# Altium PCB Version_2.PcbDoc (part 6 of 6) (continued)
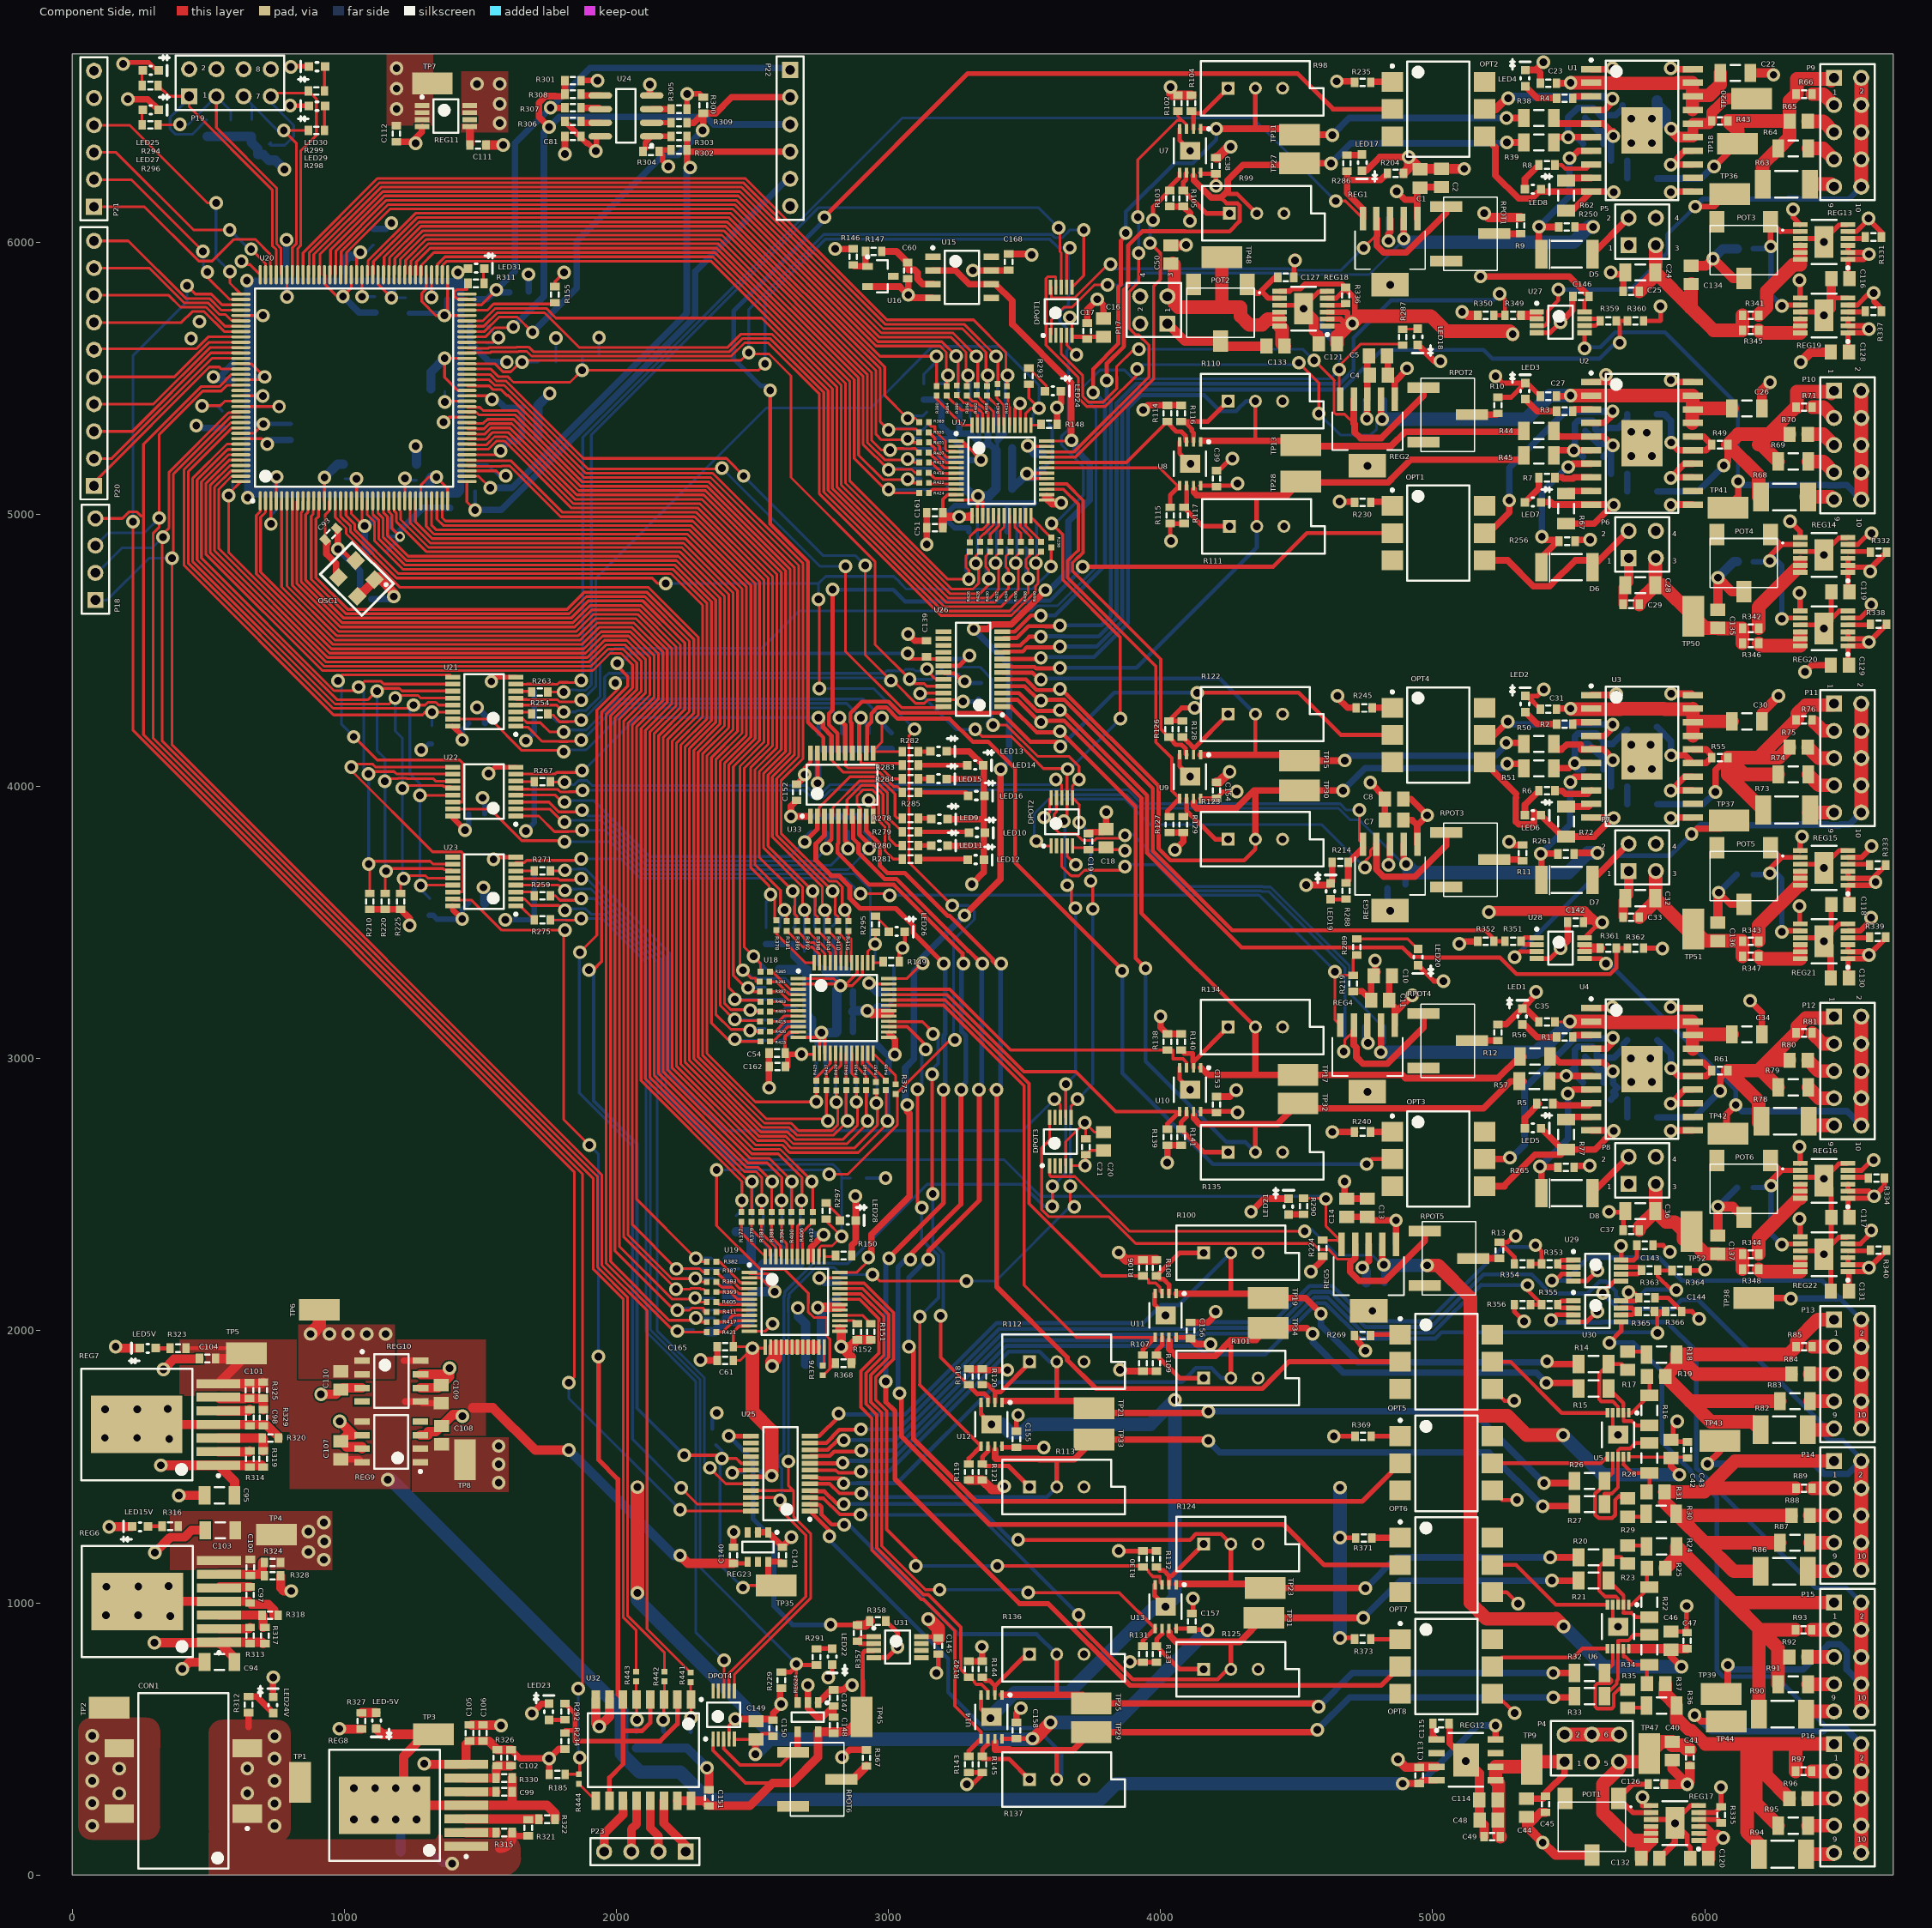
[diagram p0: Component Side view]
## Nets (pads, with @x,y where several pads share a name; then routed paths per layer and width w, separated by ;. In a path a pad name is that pad's centre, name@x,y a point inside that pad or via, vN(x,y) a via of type N, cw(c..) or ccw(c..) an arc to the next point about the centre after c; other vN are vias at no path point) (continued)
VN6: C50.1 C133.1 P17.3 REG18.10 REG18.11 REG18.12 TP48.1 | length 873.5
  Component Side w35: REG18.11@4437.64,5717.64 4437.64,5733.27
  Component Side w50: C50.1@4045.24,5922.5 4050.28,5917.46 4050.28,5775.92 4064.71,5761.49 4293.11,5761.49 4294.41,5760.19 4294.41,5728.2 4326.63,5695.98 4372.19,5695.98 4393.84,5717.64 REG18.11@4437.58,5717.64 ; 4225.24,5765.27 TP48.1@4225.24,5944.98 ; REG18.12@4437.64,5691.99 4446.85,5682.78 4446.85,5626.97 C133.1@4455.71,5618.11
VO1: R40.2 R43.1 TP20.1 U1.15 U1.16 | length 548
  Component Side w40: v1(5876.27,6417.64) 5872.5,6417.64 5872.19,6417.32 5903.55,6385.96 U1.15@5956.5,6385.96 U1.16@5956.5,6435.96 6015.69,6435.96 R43.1@6025.59,6445.87 6025.59,6477.52 6036.34,6488.27 6037.76,6488.27 6077.05,6527.56 TP20.1@6172.24,6527.56
  Solder Side w40: R40.2@5824.8,6519.69 5824.8,6505.27 5826.36,6505.27 5856.24,6475.39 5856.24,6437.67 v1(5876.27,6417.64)
VO2: R46.2 R49.1 U2.15 U2.16 | length 392.5
  Component Side w24: v1(5876.27,5264.04) 5876.27,5263.24 5903.55,5235.96 U2.15@5956.5,5235.96 6005.71,5235.96 R49.1@6025.71,5255.96 5995.71,5285.96 U2.16@5956.5,5285.96
  Solder Side w24: R46.2@5824.8,5368.11 5851.51,5368.11 5876.27,5343.35 v1(5876.27,5264.04)
VO3: R52.2 R55.1 U3.15 U3.16 | length 382
  Component Side w24: v1(5876.27,4114.37) 5927.89,4114.37 5928.09,4114.17 5928.19,4114.27 U3.15@5956.5,4085.96 6005.71,4085.96 R55.1@6025.71,4105.96 6025.71,4115.04 6004.79,4135.96 U3.16@5956.5,4135.96
  Solder Side w24: R52.2@5824.8,4218.5 5876.27,4167.04 v1(5876.27,4114.37)
VO4: R58.2 R61.1 U4.15 U4.16 | length 376.2
  Component Side w24: v1(5876.27,2964.71) 5876.27,2963.24 5903.55,2935.96 U4.15@5956.5,2935.96 6005.71,2935.96 R61.1@6025.71,2955.96 5995.71,2985.96 U4.16@5956.5,2985.96
  Solder Side w24: R58.2@5825.79,3067.91 5876.27,3017.43 v1(5876.27,2964.71)
VO5: R16.2 R19.1 U5.1 | length 175.2
  Component Side w14: U5.1@5721.66,1697.54 5731.58,1697.54 R16.2@5796.58,1762.54 5796.58,1823.96 R19.1@5788.12,1832.43
VO6: R28.2 R31.1 U5.9 | length 194.7
  Component Side w13: 5701.65,1508.98 U5.9@5701.65,1536.55
  Component Side w14: 5701.65,1508.98 5733.32,1477.31 R28.2@5796.58,1477.31 R31.1@5796.58,1418.25
VO7: R22.2 R25.1 U6.1 | length 163.8
  Component Side w13: U6.1@5720.95,992.92 5731.96,992.92 R22.2@5796.58,1057.54
  Component Side w14: R22.2@5788.12,1066.01 R25.1@5788.12,1127.43
VO8: R34.2 R37.1 U6.9 | length 198.8
  Component Side w13: U6.9@5701.27,831.93 5701.65,831.55 5701.65,801.93 5709.18,801.93 5738.81,772.31
  Component Side w14: 5738.81,772.31 R34.2@5796.58,772.31 ; R37.1@5788.12,702.43 R34.2@5788.12,763.84
VOUT1: P9.1 R42.2 R43.2 R63.2 R64.2 R65.2 R66.2 TP18.1 | length 1240.4
  Component Side w24: v1(6034.45,6278.54) 6037.4,6278.54 TP18.1@6121.06,6362.2
  Component Side w50: TP18.1@6121.06,6362.2 6121.06,6409.45 R43.2@6084.65,6445.87 R65.2@6310.18,6445.87 ; R63.2@6212.6,6228.24 6212.6,6286.75 R64.2@6270.12,6344.27 6311.77,6385.92 R65.2@6311.77,6444.27 6311.77,6520.33 R66.2@6335.71,6544.27 6338.77,6544.27 6338.77,6600.27 6458.43,6600.27 P9.1@6464.84,6593.87 ; P9.1@6470.24,6599.27 P9.1@6475.24,6604.27
  Solder Side w24: R42.2@5825.36,6234.27 5986.24,6234.27 6034.45,6282.48 v1(6034.45,6278.54)
VOUT2: P10.1 R48.2 R49.2 R68.2 R69.2 R70.2 R71.2 | length 1330.2
  Component Side w24: v1(6069.88,5179.13) 6084.77,5194.02 R49.2@6084.77,5255.96
  Component Side w50: R68.2@6198.62,5064.27 6198.62,5142.1 R49.2@6084.77,5255.96 6123.07,5294.27 6235.71,5294.27 ; R69.2@6270.12,5194.27 6208.43,5255.96 6197.4,5255.96 6235.71,5294.27 ; R70.2@6311.77,5294.27 6235.71,5294.27 ; P10.1@6464.84,5443.87 6458.44,5450.27 6338.77,5450.27 6338.77,5394.27 R71.2@6335.71,5394.27 6235.71,5294.27
  Solder Side w24: R48.2@5825.36,5084.27 5975.02,5084.27 v1(6069.88,5179.13)
VOUT3: P11.1 R54.2 R55.2 R73.2 R74.2 R75.2 R76.2 | length 1443.4
  Component Side w24: v1(6039.37,3979.33) 6039.37,4060.57 R55.2@6084.77,4105.96
  Component Side w50: R73.2@6214.57,3913.39 6084.77,4043.19 R55.2@6084.77,4105.96 ; R74.2@6270.12,4044.27 6146.46,4044.27 R55.2@6084.77,4105.96 ; R75.2@6311.77,4144.27 6273.47,4105.96 6197.4,4105.96 ; R76.2@6335.71,4244.27 6197.4,4105.96 ; R76.2@6339.77,4248.32 6339.77,4267.05 6371.98,4299.27 6470.24,4299.27 P11.1@6475.24,4304.27 ; R55.2@6084.77,4105.96 6197.4,4105.96
  Solder Side w24: R54.2@5825.36,3934.27 5994.31,3934.27 v1(6039.37,3979.33)
VOUT4: P12.1 R60.2 R61.2 R78.2 R79.2 R80.2 R81.2 | length 1255
  Component Side w24: v1(6057.09,2880.91) 6057.09,2928.28 R61.2@6084.77,2955.96
  Component Side w50: R78.2@6198.62,2764.27 6198.62,2842.1 R61.2@6084.77,2955.96 6197.4,2955.96 ; R79.2@6270.12,2894.27 6208.43,2955.96 6197.4,2955.96 ; R80.2@6311.77,2994.27 6235.71,2994.27 ; P12.1@6475.24,3154.27 6470.24,3149.27 6371.98,3149.27 6339.77,3117.05 6339.77,3098.32 R81.2@6335.71,3094.27 6235.71,2994.27 ; 6197.4,2955.96 6235.71,2994.27
  Solder Side w24: R60.2@5825.36,2784.27 5960.45,2784.27 v1(6057.09,2880.91)
VOUT5: P13.1 R18.2 R19.2 R82.2 R83.2 R84.2 R85.2 | length 1955
  Component Side w50: R82.2@6205.79,1635.96 6175.81,1665.94 6021.54,1665.94 5946.51,1740.96 ; R83.2@6276.66,1740.96 5946.51,1740.96 ; R84.2@6318.98,1840.96 5968.17,1840.96 R18.2@5896.7,1912.43 ; P13.1@6475.24,2040.96 6415.57,2040.96 6338.77,1964.16 6338.77,1944.02 R85.2@6335.71,1940.96 6307.17,1912.43 R18.2@5896.7,1912.43 ; R18.2@5896.7,1912.43 5896.7,1874.08 R19.2@5855.05,1832.43 5946.51,1740.96
VOUT6: P14.1 R30.2 R31.2 R86.2 R87.2 R88.2 R89.2 | length 2144.7
  Component Side w50: 5852.69,1369.75 R30.2@5895.01,1327.43 R30.2@5901.47,1320.96 ; R31.2@5852.69,1407.43 5997.98,1407.43 6011.51,1420.96 ; R86.2@6205.79,1115.96 6106.47,1115.96 6001.47,1220.96 ; R87.2@6276.66,1220.96 6001.47,1220.96 ; R88.2@6318.98,1320.96 R30.2@5901.47,1320.96 ; R89.2@6335.71,1420.96 6011.51,1420.96 ; P14.1@6475.24,1520.96 6111.51,1520.96 6011.51,1420.96 ; R30.2@5901.47,1320.96 6001.47,1220.96
VOUT7: P15.1 R24.2 R25.2 R90.2 R91.2 R92.2 R93.2 | length 1566.8
  Component Side w50: R25.2@5855.05,1127.43 5896.7,1169.08 R24.2@5896.7,1207.43 6103.17,1000.96 ; R90.2@6198.96,590.96 6198.96,896.76 ; R91.2@6269.83,700.96 6269.83,834.3 6203.17,900.96 ; R93.2@6333.8,900.96 6203.17,900.96 ; P15.1@6475.24,1000.96 6103.17,1000.96 ; 6103.17,1000.96 6203.17,900.96
VOUT8: P16.1 R36.2 R37.2 R94.2 R95.2 R96.2 R97.2 | length 1838.4
  Component Side w45: 5907.97,565.59 5940.44,533.11 5950.4,533.11 6002.55,480.96
  Component Side w50: R37.2@5855.05,702.43 5855.05,664.08 R36.2@5896.7,622.43 5896.7,565.59 ; 6002.55,480.96 6155.51,480.96 ; R94.2@6198.96,75.96 6198.96,114.03 6155.51,157.48 6155.51,480.96 ; 6225.99,476.43 6225.99,366.14 R96.2@6311.17,280.96 ; R95.2@6269.83,180.96 6187.99,262.8 6187.99,479.98 6188.98,480.96 ; R97.2@6333.8,380.96 6333.8,474.91 ; P16.1@6475.24,480.96 6188.98,480.96 ; 6155.51,480.96 6188.98,480.96
VPLUS1: D1.1 D1.3 R38.1 R41.2 U1.5 | length 529.1
  Component Side w24: R38.1@5445.36,6456.73 5466.13,6435.96 U1.5@5582.48,6435.96 5628.55,6435.96 5655.73,6408.78 v1@5663.66,6408.78
  Solder Side w24: D1.1@5560.71,6456.51 5608.45,6408.78 v1@5663.66,6408.78 ; D1.3@5627.64,6362.03 5627.64,6381.67 5655.24,6409.27 R41.2@5655.24,6299.74
  other v1: 5663.39,6389.76
VPLUS2: D2.1 D2.3 R44.1 R47.2 U2.5 | length 502.1
  Component Side w24: R44.1@5445.36,5306.73 5466.13,5285.96 U2.5@5582.48,5285.96 5628.55,5285.96 5661.3,5253.21 v1(5662.68,5253.21)
  Solder Side w24: D2.1@5560.71,5306.51 5607.95,5259.27 5655.24,5259.27 v1@5655.24,5239.62 ; D2.3@5627.64,5212.02 v1@5655.24,5239.62 ; R47.2@5655.24,5149.74 v1@5655.24,5239.62
VPLUS3: D3.1 D3.3 R50.1 R53.2 U3.5 | length 570.6
  Component Side w24: R50.1@5445.36,4156.73 5466.13,4135.96 5474.2,4135.96 5492.45,4154.2 5545.48,4154.2 5545.48,4135.96 U3.5@5582.48,4135.96 ; U3.5@5583.47,4141.87 5628.55,4135.96 5663.66,4100.85 5662.68,4099.86 v1(5662.68,4096.66)
  Solder Side w24: D3.1@5560.71,4156.51 5572.1,4156.51 5597.83,4130.79 5597.83,4129.37 5608.37,4118.83 5609.79,4118.83 5619.35,4109.27 5655.24,4109.27 5627.64,4081.67 D3.3@5627.64,4062.02 ; R53.2@5655.71,3999.27 5655.71,4108.8 5657.22,4107.28 5657.42,4107.48 5663.66,4101.25 5662.68,4100.26 v1(5662.68,4096.66)
VPLUS4: D4.1 D4.3 R56.1 R59.2 U4.5 | length 541.4
  Component Side w24: R56.1@5445.36,3006.73 5466.13,2985.96 U4.5@5582.48,2985.96 5628.55,2985.96 5660.62,2953.88 v1(5662.68,2953.88)
  Solder Side w24: D4.1@5560.71,3006.51 5607.95,2959.27 5655.24,2959.27 5627.64,2931.67 D4.3@5627.64,2912.02 ; R59.2@5655.71,2849.27 5655.24,2849.74 5672.24,2866.75 5662.68,2876.31 5679.13,2892.77 5662.68,2909.23 v1(5662.68,2953.88)
VPLUS5: R14.1 R17.2 U5.3 | length 325.9
  Component Side w13: 5661.6,1740.96 5681.58,1720.97 U5.3@5681.58,1697.92
  Component Side w14: 5661.6,1740.96 5619.66,1740.96 5612.05,1748.58 5612.05,1842.77 R14.1@5646.7,1877.43 5695.48,1877.43 R17.2@5716.58,1856.32
VPLUS6: R26.1 R29.2 U5.7 | length 436.4
  Component Side w13: 5661.9,1477.62 U5.7@5661.9,1536.93
  Component Side w14: 5661.9,1477.62 R26.1@5631.7,1447.43 5631.7,1434.51 5606.08,1408.89 5604.66,1408.89 5597.05,1401.28 5597.05,1323.58 5604.66,1315.96 5606.08,1315.96 5611.02,1311.02 5659.45,1311.02 5671.26,1322.83 5671.26,1378.5 5685.94,1393.19 5695.6,1383.53 R29.2@5716.58,1383.53
VPLUS7: R20.1 R23.2 U6.3 | length 320
  Component Side w13: 5613.05,1133.77 5612.55,1133.27 5612.55,1043.78 5633.41,1022.92 5673.88,1022.92 5681.2,1015.6 U6.3@5681.2,993.3
  Component Side w14: 5613.05,1133.77 R20.1@5646.7,1167.43 5693.12,1167.43 R23.2@5716.58,1143.96
VPLUS8: R32.1 R35.2 U6.7 | length 447.1
  Component Side w13: U6.7@5661.9,831.93 5661.9,772.62 R32.1@5631.7,742.43 5657.52,716.6 5657.52,710.12 5650.8,703.39 5604.87,703.39 5597.55,696.07 5597.55,618.78 5604.87,611.46 5658.53,611.46 5665.86,618.78 5665.86,664.71 5687.64,686.49 R35.2@5693.24,680.89
VR: C15.2 C42.2 C43.2 C46.2 C47.2 DPOT3.1 REG5.2 U5.10 U6.10 | length 5333
  Component Side w10: DPOT3.1@3592.64,2606.4 3592.64,2570.75 3596.75,2566.64 3685.4,2566.64 3886.88,2365.16 v1(4529.53,2365.16) ; U5.10@5720.95,1536.93 5769.52,1536.93 5770.95,1535.51 C43.2@5933.5,1535.51 ; C47.2@5933.37,831.93 5933.87,831.43 C47.2@5934.55,830.75
  Component Side w24: REG5.2@4815.24,2317.46 4815.24,2245.15 4820.12,2240.27 4819.88,2240.03 v1@4819.88,2235.24 ; C46.2@5875.24,827.5 5875.24,803.9 v1(5914.37,764.76) ; C42.2@5876.58,1532.43 5876.58,1502.71 5906.78,1472.51 v1(5906.78,1470.54)
  Component Side w35: 5731.65,831.93 5732.15,831.43 5933.87,831.43 C47.2@5935.24,831.43
  Component Side w50: v1(4979.33,2240.16) 5020.03,2240.16 5138.95,2121.24 5138.95,1000.25 5198.15,941.05 5451.64,941.05 5452.64,942.05 v1(5481.3,913.39) ; 5150.59,1687.13 5275.02,1687.13 5346,1616.14 v1(5479.33,1616.14)
  Solder Side w10: v1(4529.53,2365.16) 4547.24,2365.16 4555.12,2373.03 4651.02,2277.13 4779.26,2277.13 4816.12,2240.27 v1@4820.12,2240.27
  Solder Side w24: C15.2@4822.83,2176.18 v1@4822.83,2237.55
  Solder Side w50: v1@4820.12,2240.27 4979.22,2240.27 v1(4979.33,2240.16) ; v1(5479.33,1616.14) 5624.93,1470.54 v1(5906.78,1470.54) ; v1(5481.3,913.39) 5629.92,764.76 v1(5914.37,764.76)
  other v1: 4820.12,2242.27
VREF: U15.2 U15.6 U17.36 U18.36 U19.36 | length 4867.5
  Component Side w10: U19.36@2821.58,2214.23 2883.51,2214.23 v1@2930.24,2260.96 ; U18.36@3001.58,3294.23 3068.51,3294.23 v1(3125.24,3350.96) ; U17.36@3581.58,5269.23 v1@3666.87,5269.23
  Component Side w24: v1@2930.24,2260.96 2937.81,2268.53 2937.81,2353.51 3077.76,2493.45 3077.76,2797.24 3068.9,2806.1 v1(3068.9,2829.72) ; U15.2@3162.95,5895.96 3246.75,5895.96 3296.75,5845.96 U15.6@3377.52,5845.96 3393.33,5845.96 3455.24,5784.06 3455.24,5698.31 3671.06,5482.49 3671.06,5273.42 v1@3666.87,5269.23 ; v1(3279.53,3526.57) 3412.4,3659.45 v1(3412.4,4062.99) ; v1(3312.99,4578.74) 3364.94,4578.74 3381.52,4595.32 3451.56,4595.32 3576.95,4720.7 v1@3582.49,4715.16
  Solder Side w24: v1(3068.9,2829.72) 3061.02,2837.6 3061.02,2965.89 3093.81,2998.68 3093.81,3319.54 v1(3125.24,3350.96) ; v1@3125.24,3372.29 v1(3279.53,3526.57) ; v1(3312.99,4578.74) 3443.9,4447.83 3443.9,4094.49 v1(3412.4,4062.99) ; v1(3576.77,4721.46) 3591.54,4721.46 3661.42,4791.34 3661.42,4974.07 3740.04,5052.69 3740.04,5185.48 3685.7,5239.81 3685.7,5258.2 v1(3672.24,5271.65)
  other v1: 2926.18,2268.7
VREFM: C138.1 C139.1 C141.1 REG23.6 TP35.1 U25.17 U26.17 | length 5409.1
  Component Side w12: v1(1899.61,3325.79) 1914.37,3325.79 1945.55,3356.97 1945.55,4273.15 2042.02,4369.61 2042.02,4404.32 2011.14,4435.2 2011.14,4470.16 v1@2010.83,4470.47 ; v1(2249.02,1542.32) v1@2376.18,1542.32 ; v1(2387.91,1530.59) 2440.88,1530.59 2458.95,1512.52 U25.17@2494.33,1512.52 ; v1(2464.57,1056.1) 2472.44,1063.98 TP35.1@2586.61,1063.98 ; REG23.6@2555.85,1150.84 REG23.6@2557.64,1150.84 ; v1@3067.7,4470.69 3070.03,4470.69 3072.26,4468.46 U26.17@3201.97,4468.46
  Component Side w22: TP35.1@2557.64,1092.95 REG23.6@2557.64,1150.84 C141.1@2604.84,1150.84
  Solder Side w12: v1@1916.34,3325.79 1916.34,2844.92 2076.06,2685.2 2076.06,1715.28 v1(2249.02,1542.32) ; v1(2002.95,4452.9) 2015.45,4452.9 2051.73,4489.17 v1(3070.87,4489.17) ; C138.1@2366.14,1580.71 2387.91,1558.94 v1(2387.91,1530.59) 2380.91,1523.62 2380.91,1139.76 v1(2464.57,1056.1)
VSS1: D5.1 LED8.2 OPT2.4 P5.2 P5.4 R62.1 U1.1 U1.10 U1.11 U1.13 U1.14 U1.20 U1.21 | length 1379.3
  Component Side w24: OPT2.4@5190.24,6389.27 5230.3,6349.21 5230.3,6246.27 5316.05,6160.52 5364.56,6160.52 LED8.2@5398.31,6194.27 5398.31,6186.47 U1.10@5581.98,6186.47 ; R62.1@5490.24,6115.88 5512.4,6115.88 U1.10@5582.48,6185.96 v1@5663.55,6185.96 ; U1.1@5582.48,6635.96 5656.93,6635.96 5660.71,6639.74 v1(5660.71,6640.09) ; D5.1@5587.05,5955.96 P5.2@5720.33,6089.27 ; v1(5875.24,6184.27) 5876.93,6185.96 U1.11@5956.5,6185.96 ; v1@5878.55,6635.96 U1.20@5956.5,6635.96 ; U1.13@5956.5,6285.96 5876.93,6285.96 5926.93,6335.96 U1.14@5956.5,6335.96
  other v1: 5665.24,6184.27 5875.24,6284.27 5730.24,6364.27 5805.24,6364.27 5730.24,6454.27 5805.24,6454.27 5875.24,6639.27
VSS2: D6.1 LED7.2 OPT1.4 P6.2 P6.4 R67.1 U2.1 U2.10 U2.11 U2.13 U2.14 U2.20 U2.21 | length 1523.6
  Component Side w24: OPT1.4@5190.24,4830.96 5276.2,4830.96 5276.2,4829.55 5369.95,4735.8 5430.13,4735.8 5440.68,4746.34 5440.68,4747.75 5523.89,4830.96 5562.05,4830.96 ; LED7.2@5398.31,5044.27 5435.06,5044.27 5443.37,5035.96 U2.10@5582.48,5035.96 5663.55,5035.96 5593.47,4965.88 R67.1@5490.24,4965.88 ; U2.1@5582.48,5485.96 5656.93,5485.96 ; D6.1@5587.05,4805.96 P6.2@5720.33,4939.27 ; v1@5876.93,5035.96 U2.11@5956.5,5035.96 ; v1@5878.55,5485.96 U2.20@5956.5,5485.96 ; U2.13@5956.5,5135.96 5876.93,5135.96 5926.93,5185.96 U2.14@5956.5,5185.96
  other v1: 5665.24,5034.27 5875.24,5034.27 5875.24,5134.27 5730.24,5214.27 5805.24,5214.27 5787.4,5300.2 5730.59,5303.41 5875.29,5493.38 5637.09,5513.06
VSS3: D7.1 LED6.2 OPT4.4 P7.2 P7.4 R72.1 U3.1 U3.10 U3.11 U3.13 U3.14 U3.20 U3.21 | length 1397.3
  Component Side w24: OPT4.4@5190.24,4089.27 5306.51,3973 ; 5306.51,3958.75 5305.51,3957.75 5305.51,3871.07 5316.05,3860.52 5373,3860.52 5373,3906.5 5385.24,3894.27 LED6.2@5398.31,3894.27 R72.1@5476.7,3815.88 ; R72.1@5490.24,3815.88 5593.47,3815.88 5663.55,3885.96 U3.10@5582.48,3885.96 ; U3.1@5582.48,4335.96 v1@5656.93,4335.96 ; D7.1@5587.05,3655.96 P7.2@5720.33,3789.27 ; v1(5875.24,3884.27) 5876.93,3885.96 U3.11@5956.5,3885.96 ; v1(5876.27,4340.76) 5951.7,4340.76 U3.20@5953.19,4339.27 ; U3.13@5956.5,3985.96 5876.93,3985.96 5926.93,4035.96 U3.14@5956.5,4035.96
  other v1: 5665.24,3884.27 5875.24,3984.27 5730.24,4064.27 5805.24,4064.27 5730.59,4153.75 5801.18,4153.54 5674.49,4339.78
VSS4: D8.1 LED5.2 OPT3.4 P8.2 P8.4 R77.1 U4.1 U4.10 U4.11 U4.13 U4.14 U4.20 U4.21 | length 1366.9
  Component Side w24: OPT3.4@5190.24,2530.96 5263.89,2530.96 5263.89,2534.21 5376.15,2646.47 5470.83,2646.47 R77.1@5490.24,2665.88 ; LED5.2@5398.31,2744.27 5476.7,2665.88 R77.1@5490.24,2665.88 ; U4.10@5582.48,2735.96 v1@5663.55,2735.96 ; U4.1@5582.48,3185.96 v1@5656.93,3185.96 ; D8.1@5587.05,2505.96 P8.2@5720.33,2639.27 ; v1(5665.24,2734.27) 5596.85,2665.88 R77.1@5490.24,2665.88 ; v1@5876.93,2735.96 U4.11@5956.5,2735.96 ; v1@5878.55,3185.96 U4.20@5956.5,3185.96 ; U4.13@5956.5,2835.96 5876.93,2835.96 5926.93,2885.96 U4.14@5956.5,2885.96
  other v1: 5875.24,2734.27 5875.24,2834.27 5730.24,2914.27 5805.24,2914.27 5728.35,3000.98 5800.2,3000.98 5660.24,3189.27 5875.24,3189.27
VSSIV: P17.2 P17.4 U7.4 U7.9 U8.4 U8.9 U9.4 U9.9 U10.4 U10.9 U11.4 U11.9 U12.4 U12.9 U13.4 U13.9 U14.4 U14.9 | length 8028.6
  Component Side w17: U14.4@3340.16,661.45 3340.16,611.04 v1(3375.24,575.96) ; U12.4@3340.16,1736.45 3340.16,1694.35 v1(3378.55,1655.96) ; U13.4@3977.91,1066.45 3977.91,1026.6 v1(4018.55,985.96) ; U11.4@3977.91,2136.45 3977.91,2096.6 v1(4018.55,2055.96) ; U10.4@4070.16,2966.45 4070.16,2924.35 v1(4108.55,2885.96) ; U9.4@4070.16,4116.45 4070.16,4074.35 v1(4108.55,4035.96) ; U8.4@4070.16,5266.45 4070.16,5224.35 U8.9@4108.55,5185.96 ; U7.4@4070.16,6416.45 4070.16,6374.35 v1(4108.55,6335.96)
  Power w50: v1(4053.15,1746.06) 4053.15,1901.57 4018.55,1936.18 v1(4018.55,2055.96) 4102.36,2139.78 4102.36,2879.78 v1(4108.55,2885.96) v1(4108.55,4035.96) 4108.55,4226.34 4060.16,4274.72 4060.16,4352.51 4110.24,4402.59 v1(4110.24,5185.96) 4110.24,5496.91 3965.71,5641.43 3965.71,5657.59 3925.24,5698.07 P17.2@3925.24,5700.96 P17.4@3925.24,5800.96 4058.7,5934.43 4132.29,5934.43 4164.5,5966.64 4164.5,6139.51 4108.55,6195.47 v1(4108.55,6335.96)
  Solder Side w50: v1(3375.24,575.96) 3375.24,581.4 3463.02,669.19 3661.7,669.19 3978.48,985.96 v1(4018.55,985.96) 4053.15,1020.57 v1(4053.15,1746.06) 3963.05,1655.96 3523.11,1655.96 3493.02,1625.87 3447.46,1625.87 3417.36,1655.96 v1(3378.55,1655.96)
VSSR: OPT5.4 OPT6.4 OPT7.4 OPT8.4 P4.2 P4.4 P4.6 U5.4 U5.11 U6.4 U6.11 | length 3295.1
  Component Side w13: U6.11@5661.9,932.11 U6.4@5661.9,992.92 ; U5.11@5661.9,1637.11 U5.4@5661.9,1697.92
  Component Side w14: OPT8.4@5219.53,665.96 5230.69,665.96 v1(5301.18,595.47) ; OPT7.4@5219.53,1039.3 5271.73,1039.3 v1(5313.98,997.05) ; OPT5.4@5219.53,1785.96 5220.93,1785.96 5264.76,1742.13 v1(5299.21,1742.13) ; OPT6.4@5254.21,1377.95 v1(5310.04,1377.95) ; U5.11@5661.9,1637.11 v1(5681.58,1617.43)
  Component Side w50: P4.2@5485.24,515.96 P4.4@5585.24,515.96 P4.6@5685.24,515.96
  Power w50: v1(5299.21,1742.13) 5301.18,1740.16 v1(5301.18,595.47) 5380.69,515.96 P4.2@5485.24,515.96 ; P4.4@5585.24,515.96 5585.24,544.88 5681.58,641.23 v1(5681.58,912.43) 5605.08,988.93 5605.32,989.17 5605.32,1541.16 v1(5681.58,1617.43)
pads on no net: DPOT1.2 DPOT2.2 DPOT3.2 DPOT3.3 DPOT3.9 DPOT4.2 DPOT4.9 DPOT4.10 OPT1.3 OPT1.6 OPT2.3 OPT2.6 OPT3.3 OPT3.6 OPT4.3 OPT4.6 OPT5.3 OPT5.6 OPT6.3 OPT6.6 OPT7.3 OPT7.6 OPT8.3 OPT8.6 POT1.3 POT2.3 POT3.3 POT4.3 POT5.3 POT6.3 R98.3 R99.3 R100.3 R101.3 R110.3 R111.3 R112.3 R113.3 R122.3 R123.3 R124.3 R125.3 R134.3 R135.3 R136.3 R137.3 REG9.4 REG10.4 REG11.6 REG12.2 REG12.7 REG23.3 REG23.5 RPOT1.3 RPOT2.3 RPOT3.3 RPOT4.3 RPOT5.3 RPOT6.3 U1.12 U2.12 U3.12 U4.12 U15.1 U15.5 U15.8 U16.3 U20.72 U20.127 U23.9 U25.14 U25.15 U25.16 U26.13 U26.14 U26.15 U26.16 U31.5 U31.6 U31.7

## Polygon pours and split planes (outlines as drawn)
-5V on Power "-5V" (solid, pour order 36): 6260.24,7.65 6260.24,308.07 6259.84,308.07 922.64,308.07 922.64,239.17 922.64,0 3197.83,0 3197.83,9.84
-5V on Power "-5V" (solid, pour order 34): 6260.24,6195.96 6692.91,6195.96 6692.91,6189.96 6692.91,0 6587.6,0 6260.24,0 6260.24,370.96 6260.24,831.12
D1V2 on Power "D1V2" (solid, pour order 51): 1235.24,6693.9 1235.24,6436.64 804.13,6436.64 804.13,6691.93 1235.24,6691.93
24V on Power "24V" (solid, pour order 49): 792.32,570.87 435.04,570.87 435.04,480.7 435.04,0 752.95,0 792.32,0 792.32,570.87
24V on Power "24V" (solid, pour order 45): 7.65,1901 435.04,1901 435.04,1420.28 435.04,0 429.13,0 0,0
15V on Power "15V" (solid, pour order 43): 4729.33,648 5240.16,648 5240.16,6692.91 5233.27,6692.91 4729.33,6692.91 4729.33,648
15V on Power "15V" (solid, pour order 39): 1521.65,1375.98 805.12,1375.98 805.12,648 991.14,648 4729.33,648 4729.33,1375.98 1521.65,1375.98
A3V3 on Power "A3V3" (solid, pour order 37): 4729.33,6692.91 4729.33,1375.98 1521.65,1375.98 1521.65,1431.1 1521.65,6692.91 4729.33,6692.91
D3V3 on Power "D3v3" (solid, pour order 35): 3267.72,4255.91 3553.15,4255.91 3553.15,5036.42 3548.23,5036.42 3267.72,5036.42 3267.72,4255.91
D1V2 on Power "D1V2" (solid, pour order 33): 804.13,6509.53 804.13,5811.02 849.41,5811.02 1155.51,5811.02 1155.51,6510.83 1153.54,6510.83 804.13,6510.83 804.13,6509.53
D1V2 on Power "D1V2" (solid, pour order 31): 675.2,5105.32 1395.67,5105.32 1395.67,5824.8 675.2,5824.8 675.2,5105.32
VSS1 on Power "VSS1" (solid, pour order 55): 5770.24,6039.27 5805.24,6039.27 ccw(c5805.24,6139.27) 5905.24,6139.27 5905.24,6209.27 5905.24,6649.27 ccw(c5885.24,6649.27) 5885.24,6669.27 5645.24,6669.27 ccw(c5645.24,6659.27) 5635.24,6659.27 5635.24,6139.27 ccw(c5735.24,6139.27) 5735.24,6039.27 5775.24,6039.27
VSS2 on Power "VSS2" (solid, pour order 46): 5770.24,4889.27 5805.24,4889.27 ccw(c5805.24,4989.27) 5905.24,4989.27 5905.24,5059.27 5905.24,5499.27 ccw(c5885.24,5499.27) 5885.24,5519.27 5645.24,5519.27 ccw(c5645.24,5509.27) 5635.24,5509.27 5635.24,4989.27 ccw(c5735.24,4989.27) 5735.24,4889.27 5775.24,4889.27
VSS3 on Power "VSS3" (solid, pour order 44): 5770.24,3739.27 5805.24,3739.27 ccw(c5805.24,3839.27) 5905.24,3839.27 5905.24,3909.27 5905.24,4349.27 ccw(c5885.24,4349.27) 5885.24,4369.27 5645.24,4369.27 ccw(c5645.24,4359.27) 5635.24,4359.27 5635.24,3839.27 ccw(c5735.24,3839.27) 5735.24,3739.27 5775.24,3739.27
VSS4 on Power "VSS4" (solid, pour order 40): 5770.24,2589.27 5805.24,2589.27 ccw(c5805.24,2689.27) 5905.24,2689.27 5905.24,2759.27 5905.24,3199.27 ccw(c5885.24,3199.27) 5885.24,3219.27 5645.24,3219.27 ccw(c5645.24,3209.27) 5635.24,3209.27 5635.24,2689.27 ccw(c5735.24,2689.27) 5735.24,2589.27 5775.24,2589.27
-5V on Power "-5V" (solid, pour order 54): 1112.64,150.96 1722.64,150.96 ccw(c1722.64,200.96) 1772.64,200.96 1772.64,480.96 ccw(c1722.64,480.96) 1722.64,530.96 1697.64,530.96 cw(c1697.64,580.96) 1647.64,580.96 ccw(c1597.64,580.96) 1597.64,630.96 1247.64,630.96 ccw(c1247.64,580.96) 1197.64,580.96 1197.64,505.96 cw(c1147.64,505.96) 1147.64,455.96 977.64,455.96 cw(c977.64,460.96) 972.64,460.96 967.64,460.96 ccw(c967.64,415.96) 922.64,415.96 922.64,205.96 922.64,200.96 ccw(c972.64,200.96) 972.64,150.96 1112.64,150.96
D3V3 on Power "D3V3" (solid, pour order 59): 0,6692.91 3273.13,6692.91 3273.13,1901 3273.13,1895.67 3256.89,1895.67 2988.19,1895.67 0,1895.67 0,6692.91
D3V3 on Power "D3V3" (solid, pour order 60): 3273.13,6685.27 3559.06,6685.27 3559.06,6510.83 3559.06,5036.42 3285.43,5036.42 3273.13,5036.42 3273.13,6685.27
5V on Component Side "5V" (solid, pour order 50): 1520.67,1967.52 394.68,1967.52 394.68,1769.68 394.68,1760.83 732.28,1760.83 800.2,1760.83 800.2,1418.31 1520.67,1418.31 1520.67,1967.52
15V on Component Side "15V" (solid, pour order 38): 438.98,1121.06 955.71,1121.06 955.71,1336.61 360.24,1336.61 360.24,1311.02 360.24,1121.06 447.83,1121.06
D1V2 on Component Side "D1V2" (solid, pour order 53): 1326.5,6694 1326.5,6428.46 1156.5,6428.46 1156.5,6694 1296.5,6694
A3V3 on Component Side "A3V3" (solid, pour order 48): 1253.35,1407.87 1603.35,1407.87 1603.35,1607.87 1248.35,1607.87 1248.35,1592.87 1248.35,1407.87 1263.35,1407.87
GND on Component Side "GND" (solid, pour order 42): 72.24,578.74 ccw(c72.24,528.74) 22.24,528.74 22.24,428.74 22.24,178.74 ccw(c72.24,178.74) 72.24,128.74 272.24,128.74 ccw(c272.24,178.74) 322.24,178.74 322.24,203.74 322.24,403.74 322.24,528.74 ccw(c272.24,528.74) 272.24,578.74 72.24,578.74
24V on Component Side "24V" (solid, pour order 41): 552.17,570.67 ccw(c552.17,520.67) 502.17,520.67 502.17,420.67 502.17,170.67 ccw(c552.17,170.67) 552.17,120.67 752.17,120.67 ccw(c752.17,170.67) 802.17,170.67 802.17,195.67 802.17,395.67 802.17,520.67 ccw(c752.17,520.67) 752.17,570.67 552.17,570.67
24V on Component Side "24V" (solid, pour order 56): 597.64,145.96 597.64,70.96 ccw(c658.12,60.48) 647.64,0 1597.64,0 ccw(c1587.16,60.48) 1647.64,70.96 1647.64,95.96 ccw(c1597.64,95.96) 1597.64,145.96 1342.64,145.96 cw(c1327.64,145.96) 1327.64,130.96 1297.64,130.96 692.64,130.96 cw(c692.64,145.96) 677.64,145.96 597.64,145.96
D3V3 on Component Side "D3V3" (solid, pour order 47): 836.38,1822.85 1186.38,1822.85 1186.38,2022.85 831.38,2022.85 831.38,2007.85 831.38,1822.85 846.38,1822.85
D3V3 on Component Side "D3V3" (solid, pour order 57): 1533.46,6628 1430.12,6628 1430.12,6490.16 1430.12,6412.4 1429.13,6412.4 1429.13,6397.64 1429.13,6403.54 1590.55,6403.54 1602.36,6403.54 1602.36,6628 1531.5,6628
5V on Component Side "5v" (solid, pour order 58): 828.74,1627.95 716.54,1627.95 716.54,1801.18 716.54,1804.13 826.77,1804.13 823.82,1804.13 823.82,1627.95
24V on Component Side "24V" (solid, pour order 32): 622.05,160.43 501.97,160.43 501.97,126.97 501.97,-1.97 519.68,-1.97 661.42,-1.97 661.42,-0.98 661.42,162.4 618.11,162.4 503.45,162.4 503.45,157.62
D3V3 on Solder Side "D3V3" (solid, pour order 52): 425,5598.35 425,5748.35 665.35,5748.35 665.35,5718.35 665.35,5598.35 425,5598.35
GND on Ground Plane (split plane): 3553.66,5536.42 3553.97,5532.49 3554.89,5528.67 3556.4,5525.03 3558.45,5521.68 3561.01,5518.68 3660.95,5418.75 3660.95,4774.17 3514.75,4627.97 3512.19,4624.98 3510.14,4621.62 3508.63,4617.99 3507.71,4614.16 3507.4,4610.24 3507.4,2569.44 3224.39,2286.43 3221.84,2283.44 3219.78,2280.09 3218.28,2276.45 3217.36,2272.62 3217.05,2268.7 3217.05,1565.51 2924.2,1272.65 2921.64,1269.66 2919.59,1266.31 2919.42,1265.91 2660.87,1007.36 2331.25,1007.36 2007.36,1331.25 2007.36,1503.94 2007.05,1507.86 2006.13,1511.69 2004.63,1515.32 2002.57,1518.68 2000.02,1521.67 1790.37,1731.32 1787.38,1733.87 1784.02,1735.93 1780.39,1737.43 1776.56,1738.35 1772.64,1738.66 1385.83,1738.66 1381.9,1738.35 1378.08,1737.43 1374.44,1735.93 1371.09,1733.87 1368.09,1731.32 1348.86,1712.09 860.24,1712.09 856.31,1711.78 852.49,1710.86 848.85,1709.35 845.5,1707.3 842.5,1704.74 788.92,1651.16 786.84,1650.3 783.49,1648.24 780.5,1645.69 777.94,1642.69 775.88,1639.34 774.38,1635.7 773.46,1631.88 773.15,1627.95 773.15,1600.94 496.05,1323.83 493.49,1320.84 491.44,1317.49 489.93,1313.85 489.01,1310.03 488.7,1306.1 488.7,659.99 182.53,353.82 20.1,353.82 20.1,6672.82 3553.66,6672.82
GND on Ground Plane (split plane): 6672.82,20.1 20.1,20.1 20.1,303.66 192.91,303.66 196.84,303.97 200.66,304.89 204.3,306.4 207.65,308.45 210.65,311.01 531.51,631.87 534.07,634.87 536.12,638.22 537.63,641.86 538.55,645.68 538.86,649.61 538.86,1295.72 815.96,1572.82 818.52,1575.81 819.31,1577.11 820.57,1579.17 821.2,1580.67 822.08,1582.8 822.78,1585.71 823,1586.63 823.31,1590.55 823.31,1614.61 870.62,1661.93 1359.25,1661.93 1363.17,1662.24 1367,1663.16 1370.64,1664.66 1373.99,1666.72 1376.98,1669.28 1396.21,1688.51 1762.25,1688.51 1957.21,1493.55 1957.21,1320.87 1957.51,1316.94 1958.43,1313.12 1959.94,1309.48 1962,1306.13 1964.55,1303.13 2303.13,964.55 2306.13,962 2309.48,959.94 2313.12,958.43 2316.94,957.51 2320.87,957.21 2671.26,957.21 2675.18,957.51 2679.01,958.43 2682.64,959.94 2686,962 2688.99,964.55 2959.66,1235.22 2962.22,1238.21 2964.27,1241.57 2964.44,1241.97 3259.86,1537.39 3262.41,1540.38 3264.47,1543.73 3265.98,1547.37 3266.89,1551.2 3267.2,1555.12 3267.2,2258.31 3550.21,2541.32 3552.77,2544.32 3554.82,2547.67 3556.33,2551.31 3557.25,2555.13 3557.56,2559.06 3557.56,4599.85 3703.76,4746.05 3706.31,4749.04 3708.37,4752.39 3709.87,4756.03 3710.79,4759.86 3711.1,4763.78 3711.1,5429.13 3710.79,5433.06 3709.87,5436.88 3708.37,5440.52 3706.31,5443.87 3703.76,5446.87 3603.82,5546.8 3603.82,6672.82 6672.82,6672.82

## Other copper
Ground Plane (plane layer: these items are gaps in the copper):
  lines w50: 12.8,328.74 192.91,328.74 513.78,649.61 513.78,1306.1 798.23,1590.55 798.23,1627.95 801.18,1627.95 860.24,1687.01 1359.25,1687.01 1385.83,1713.58 1772.64,1713.58 1982.28,1503.94 1982.28,1320.87 2320.87,982.28 2671.26,982.28 2941.93,1252.95 2941.93,1254.92 3242.13,1555.12 3242.13,2268.7 3532.48,2559.06 3532.48,4610.24 3686.02,4763.78 3686.02,5429.13 3578.74,5536.42 3578.74,6682.09

## Silkscreen, mask and mechanical layers (free items; w line width, h text height)
Top Paste:
  the board outline again, w0.01
Bottom Paste:
  the board outline again, w0.01

## Text inside footprints (layer, text, board x,y; h text height)
P4: Top Overlay "6" at 5630.24,505.96 h20; Top Overlay "5" at 5630.24,400.96 h20; Top Overlay "2" at 5525.24,505.96 h20; Top Overlay "1" at 5530.24,400.96 h20
P5: Top Overlay "1" at 5645.24,5969.27 h20; Top Overlay "2" at 5640.24,6079.27 h20; Top Overlay "4" at 5890.24,6079.27 h20; Top Overlay "3" at 5890.24,5969.27 h20
P6: Top Overlay "1" at 5640.33,4819.27 h20; Top Overlay "2" at 5620.33,4919.27 h20; Top Overlay "4" at 5880.33,4919.27 h20; Top Overlay "3" at 5880.33,4819.27 h20
P7: Top Overlay "1" at 5640.33,3669.27 h20; Top Overlay "2" at 5620.33,3769.27 h20; Top Overlay "4" at 5880.33,3769.27 h20; Top Overlay "3" at 5880.33,3669.27 h20
P8: Top Overlay "1" at 5640.33,2519.27 h20; Top Overlay "2" at 5620.33,2619.27 h20; Top Overlay "4" at 5880.33,2619.27 h20; Top Overlay "3" at 5880.33,2519.27 h20
P9: Top Overlay "10" at 6555.24,6144.27 h20 r270; Top Overlay "9" at 6455.24,6144.27 h20 r270; Top Overlay "1" at 6470.24,6540.96 h20; Top Overlay "2" at 6570.24,6545.96 h20
P10: Top Overlay "10" at 6558.55,4985.96 h20 r270; Top Overlay "9" at 6478.55,4990.96 h20 r270; Top Overlay "1" at 6455.24,5534.27 h20 r270; Top Overlay "2" at 6553.55,5540.96 h20 r270
P11: Top Overlay "10" at 6555.24,3844.27 h20 r270; Top Overlay "9" at 6455.24,3844.27 h20 r270; Top Overlay "1" at 6453.55,4375.96 h20 r270; Top Overlay "2" at 6563.55,4380.96 h20 r270
P12: Top Overlay "10" at 6555.24,2694.27 h20 r270; Top Overlay "9" at 6455.24,2694.27 h20 r270; Top Overlay "1" at 6458.55,3225.96 h20 r270; Top Overlay "2" at 6558.55,3230.96 h20 r270
P13: Top Overlay "10" at 6560.24,1680.96 h20; Top Overlay "9" at 6470.24,1680.96 h20; Top Overlay "1" at 6475.24,1980.96 h20; Top Overlay "2" at 6570.24,1980.96 h20
P14: Top Overlay "10" at 6560.24,1160.96 h20; Top Overlay "9" at 6470.24,1160.96 h20; Top Overlay "1" at 6470.24,1460.96 h20; Top Overlay "2" at 6565.24,1460.96 h20
P15: Top Overlay "10" at 6560.24,640.96 h20; Top Overlay "9" at 6465.24,640.96 h20; Top Overlay "1" at 6470.24,940.96 h20; Top Overlay "2" at 6570.24,940.96 h20
P16: Top Overlay "10" at 6560.24,120.96 h20; Top Overlay "9" at 6470.24,120.96 h20; Top Overlay "1" at 6475.24,420.96 h20; Top Overlay "2" at 6570.24,420.96 h20
P17: Top Overlay "1" at 4036.42,5742.13 h20 r90; Top Overlay "2" at 3935.04,5744.09 h20 r90; Top Overlay "4" at 3945.24,5870.96 h20 r90; Top Overlay "3" at 4045.24,5870.96 h20 r90
P19: Top Overlay "2" at 474.77,6630.96 h20; Top Overlay "1" at 479.77,6530.96 h20; Top Overlay "7" at 674.77,6525.96 h20; Top Overlay "8" at 674.77,6625.96 h20